# Altium PCB UmTRXv2.PcbDoc (part 11 of 25) (continued)
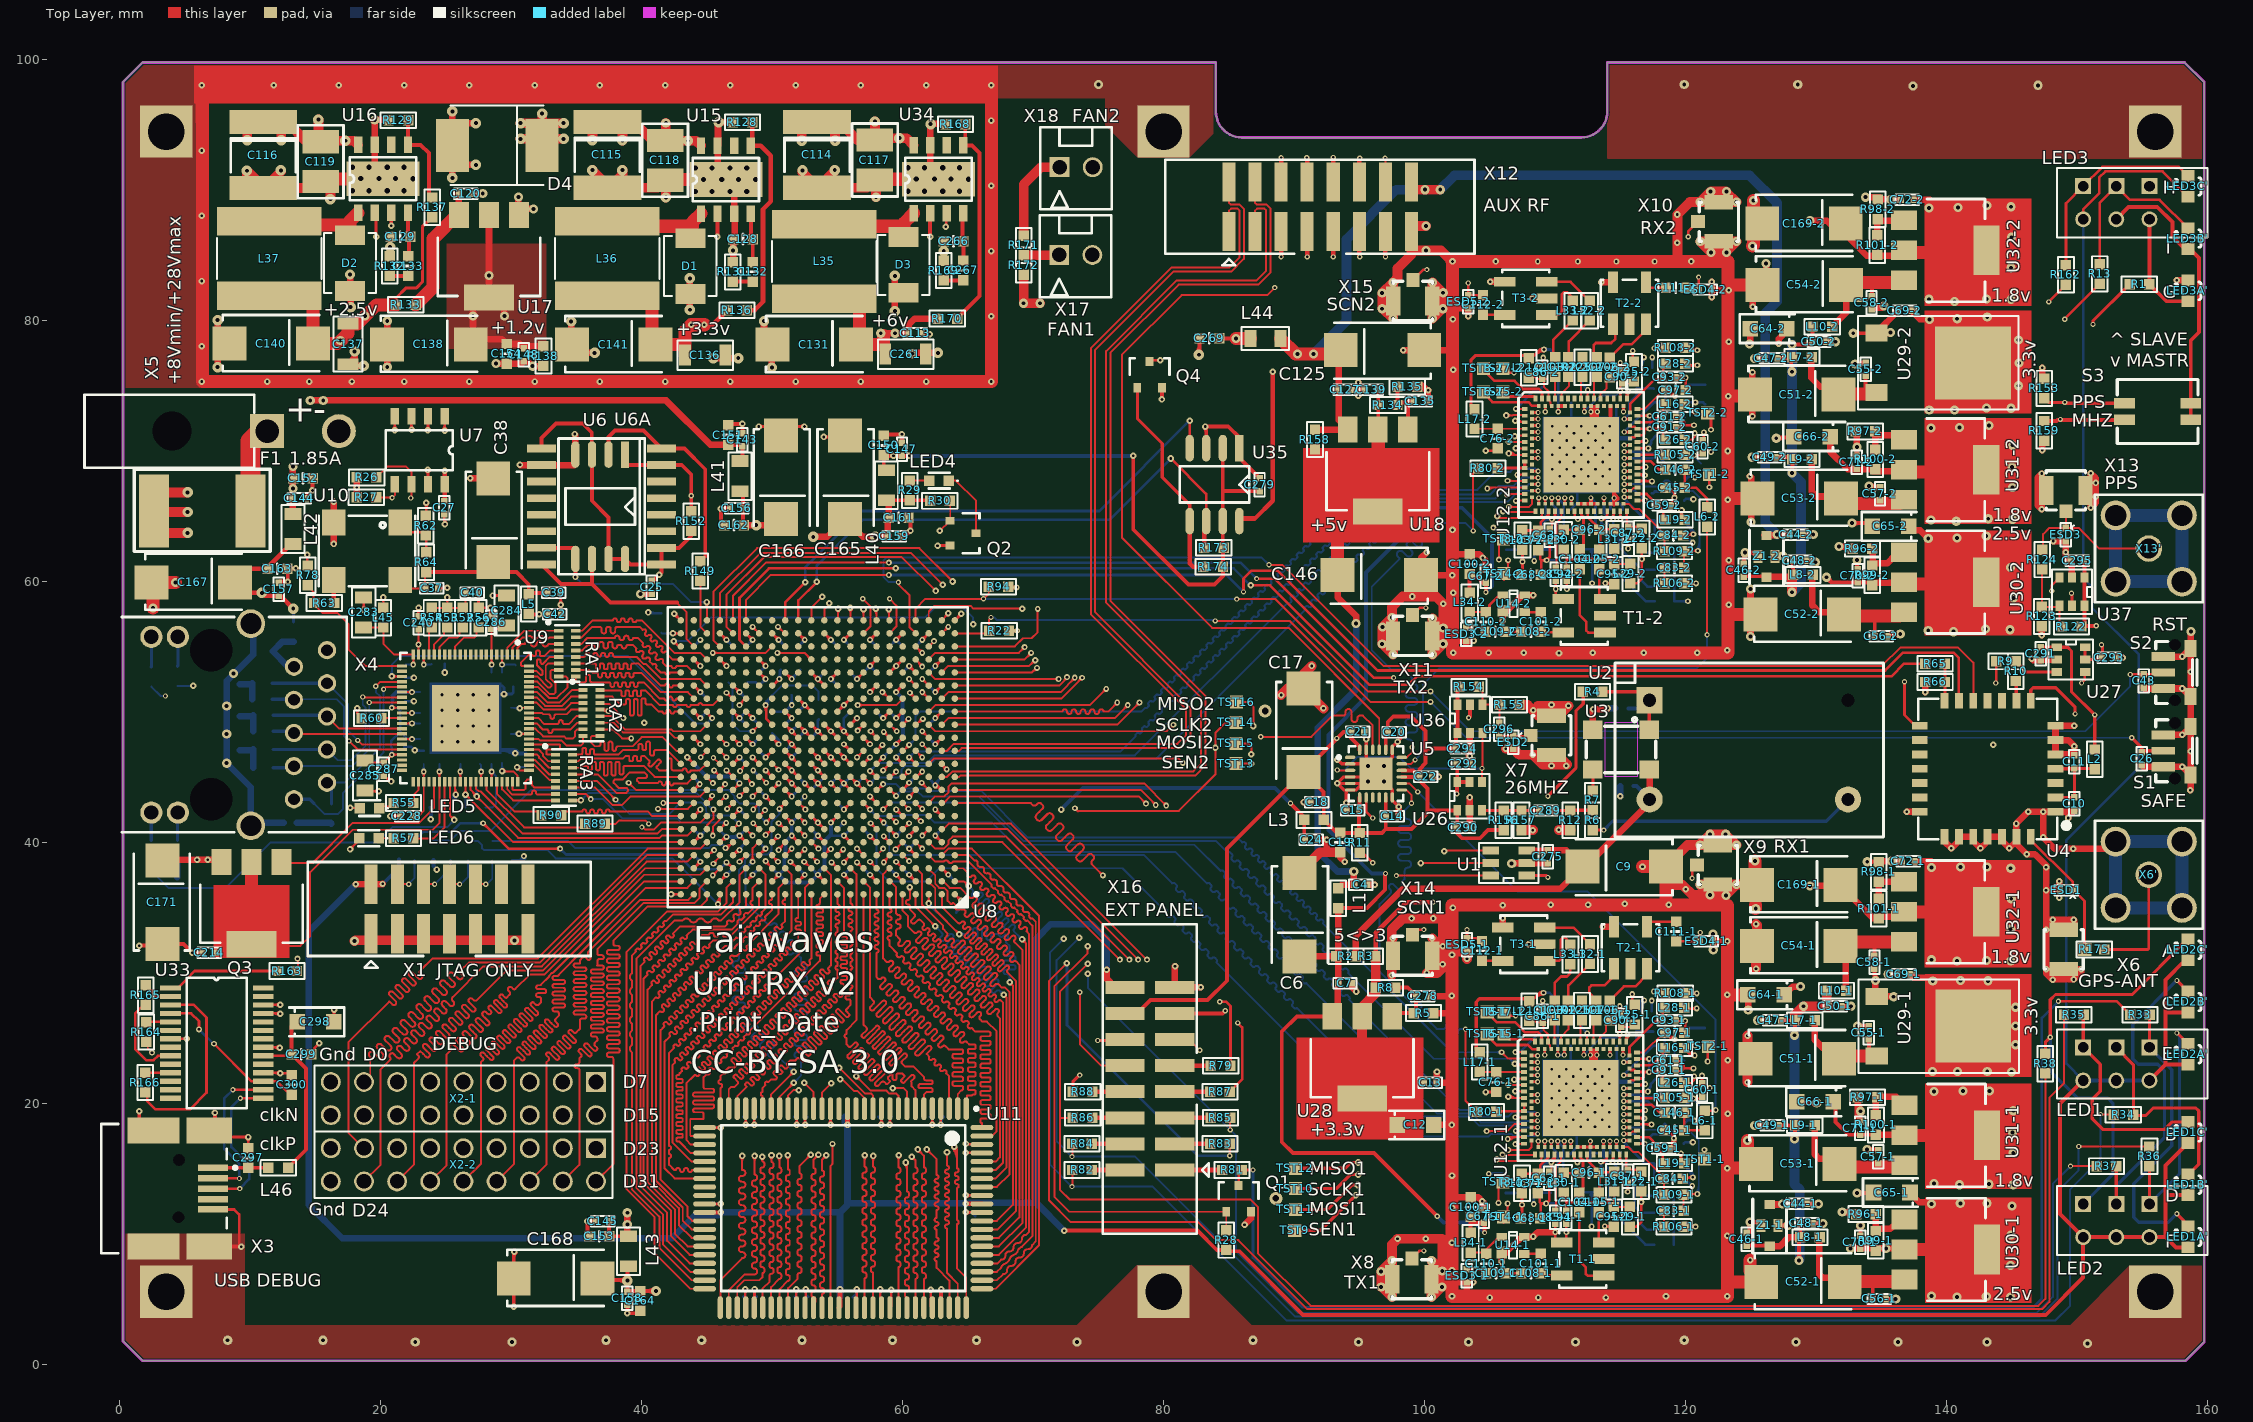
[diagram p0: Top Layer view]
## Nets (pads, with @x,y where several pads share a name; then routed paths per layer and width w, separated by ;. In a path a pad name is that pad's centre, name@x,y a point inside that pad or via, vN(x,y) a via of type N, cw(c..) or ccw(c..) an arc to the next point about the centre after c; other vN are vias at no path point) (continued)
cw(c51.073,50.5) 51.287,50.287 ; 51.5,50.802 ccw(c51.802,50.802) 51.588,50.588 cw(c51.802,50.802) 51.5,50.802 ; 51.5,50.802 cw(c51.198,50.802) 51.412,50.588 ccw(c51.198,50.802) 51.5,50.802 ; v2@51.625,46.5 cw(c51.927,46.5) 51.713,46.713 ; v2@51.625,46.5 cw(c51.927,46.5) 51.713,46.713 ; v2@51.625,46.5 ccw(c51.927,46.5) 51.713,46.287 ; v2@51.625,46.5 ccw(c51.927,46.5) 51.713,46.287 ; 51.713,46.287 ccw(c51.5,46.073) 51.5,46.375 cw(c51.5,46.073) 51.713,46.287 ; 51.713,46.713 cw(c51.5,46.927) 51.5,46.625 ccw(c51.5,46.927) 51.713,46.713 ; 51.713,48.713 cw(c51.5,48.927) 51.5,48.625 ccw(c51.5,48.927) 51.713,48.713 ; 51.713,48.713 ccw(c51.927,48.5) 51.625,48.5 cw(c51.927,48.5) 51.713,48.713 ; v1@51.769,18.431 ccw(c51.513,18.687) 51.875,18.687 ; v1@51.769,18.431 ccw(c51.513,18.687) 51.875,18.687 ; v1@51.769,18.431 ccw(c51.513,18.687) 51.875,18.687 ; 51.875,18.687 ccw(c52.237,18.687) v1@51.981,18.431 ; 51.875,18.687 ccw(c52.237,18.687) v1@51.981,18.431 ; 51.875,18.687 ccw(c52.237,18.687) v1@51.981,18.431 ; 52.287,37.713 ccw(c52.5,37.927) 52.5,37.625 cw(c52.5,37.927) 52.287,37.713 ; 52.287,37.713 cw(c52.073,37.5) 52.375,37.5 ccw(c52.073,37.5) 52.287,37.713 ; 52.287,43.287 cw(c52.5,43.073) 52.5,43.375 ccw(c52.5,43.073) 52.287,43.287 ; 52.287,43.287 ccw(c52.073,43.5) 52.375,43.5 cw(c52.073,43.5) 52.287,43.287 ; 52.287,55.287 cw(c52.5,55.073) 52.5,55.375 ccw(c52.5,55.073) 52.287,55.287 ; 52.287,55.287 ccw(c52.073,55.5) 52.375,55.5 cw(c52.073,55.5) 52.287,55.287 ; 53.287,40.287 cw(c53.5,40.073) 53.5,40.375 ccw(c53.5,40.073) 53.287,40.287 ; 53.287,40.287 ccw(c53.073,40.5) v2@53.375,40.5 ; 53.287,40.287 ccw(c53.073,40.5) v2@53.375,40.5 ; 53.287,40.713 ccw(c53.5,40.927) 53.5,40.625 cw(c53.5,40.927) 53.287,40.713 ; 53.287,40.713 cw(c53.073,40.5) v2@53.375,40.5 ; 53.287,40.713 cw(c53.073,40.5) v2@53.375,40.5 ; 53.287,44.287 ccw(c53.073,44.5) v2@53.375,44.5 ; 53.287,44.287 cw(c53.5,44.073) 53.5,44.375 ccw(c53.5,44.073) 53.287,44.287 ; 53.287,44.287 ccw(c53.073,44.5) v2@53.375,44.5 ; 53.287,44.713 cw(c53.073,44.5) v2@53.375,44.5 ; 53.287,44.713 cw(c53.073,44.5) v2@53.375,44.5 ; 53.287,44.713 ccw(c53.5,44.927) v2@53.5,44.625 ; 53.287,44.713 ccw(c53.5,44.927) v2@53.5,44.625 ; 53.287,46.713 ccw(c53.5,46.927) 53.5,46.625 cw(c53.5,46.927) 53.287,46.713 ; 53.287,46.713 cw(c53.073,46.5) 53.375,46.5 ccw(c53.073,46.5) 53.287,46.713 ; 53.287,48.287 cw(c53.5,48.073) v2@53.5,48.375 ; 53.287,48.287 cw(c53.5,48.073) v2@53.5,48.375 ; 53.287,48.287 ccw(c53.073,48.5) 53.375,48.5 cw(c53.073,48.5) 53.287,48.287 ; v2@53.5,44.625 ccw(c53.5,44.927) 53.713,44.713 ; v2@53.5,44.625 ccw(c53.5,44.927) 53.713,44.713 ; v2@53.5,48.375 cw(c53.5,48.073) 53.713,48.287 ; v2@53.5,48.375 cw(c53.5,48.073) 53.713,48.287 ; 53.5,48.802 ccw(c53.802,48.802) 53.588,48.588 cw(c53.802,48.802) 53.5,48.802 ; 53.5,48.802 cw(c53.198,48.802) 53.412,48.588 ccw(c53.198,48.802) 53.5,48.802 ; 53.713,44.713 ccw(c53.927,44.5) 53.625,44.5 cw(c53.927,44.5) 53.713,44.713 ; 53.713,46.287 cw(c53.927,46.5) 53.625,46.5 ccw(c53.927,46.5) 53.713,46.287 ; 53.713,46.287 ccw(c53.5,46.073) 53.5,46.375 cw(c53.5,46.073) 53.713,46.287 ; 53.713,48.287 cw(c53.927,48.5) 53.625,48.5 ccw(c53.927,48.5) 53.713,48.287 ; v1@54.369,18.431 ccw(c54.113,18.687) 54.475,18.687 ; v1@54.369,18.431 ccw(c54.113,18.687) 54.475,18.687 ; v1@54.369,18.431 ccw(c54.113,18.687) 54.475,18.687 ; 54.475,18.687 ccw(c54.837,18.687) v1@54.581,18.431 ; 54.475,18.687 ccw(c54.837,18.687) v1@54.581,18.431 ; 54.475,18.687 ccw(c54.837,18.687) v1@54.581,18.431 ; v2@54.625,52.5 cw(c54.927,52.5) 54.713,52.713 ; v2@54.625,52.5 ccw(c54.927,52.5) 54.713,52.287 ; v2@54.625,52.5 cw(c54.927,52.5) 54.713,52.713 ; v2@54.625,52.5 ccw(c54.927,52.5) 54.713,52.287 ; 54.713,52.287 ccw(c54.5,52.073) 54.5,52.375 cw(c54.5,52.073) 54.713,52.287 ; 54.713,52.713 cw(c54.5,52.927) 54.5,52.625 ccw(c54.5,52.927) 54.713,52.713 ; 55.287,41.287 cw(c55.5,41.073) 55.5,41.375 ccw(c55.5,41.073) 55.287,41.287 ; 55.287,41.287 ccw(c55.073,41.5) 55.375,41.5 cw(c55.073,41.5) 55.287,41.287 ; 55.287,44.287 ccw(c55.073,44.5) 55.375,44.5 cw(c55.073,44.5) 55.287,44.287 ; 55.287,44.287 cw(c55.5,44.073) 55.5,44.375 ccw(c55.5,44.073) 55.287,44.287 ; 55.287,46.713 ccw(c55.5,46.927) 55.5,46.625 cw(c55.5,46.927) 55.287,46.713 ; 55.287,46.713 cw(c55.073,46.5) 55.375,46.5 ccw(c55.073,46.5) 55.287,46.713 ; 55.287,48.713 ccw(c55.5,48.927) 55.5,48.625 cw(c55.5,48.927) 55.287,48.713 ; 55.287,48.713 cw(c55.073,48.5) 55.375,48.5 ccw(c55.073,48.5) 55.287,48.713 ; 55.5,48.802 ccw(c55.802,48.802) 55.588,48.588 cw(c55.802,48.802) 55.5,48.802 ; 55.5,48.802 cw(c55.198,48.802) 55.412,48.588 ccw(c55.198,48.802) 55.5,48.802 ; 55.713,37.713 cw(c55.5,37.927) 55.5,37.625 ccw(c55.5,37.927) 55.713,37.713 ; 55.713,37.713 ccw(c55.927,37.5) 55.625,37.5 cw(c55.927,37.5) 55.713,37.713 ; 55.713,44.713 ccw(c55.927,44.5) 55.625,44.5 cw(c55.927,44.5) 55.713,44.713 ; 55.713,44.713 cw(c55.5,44.927) 55.5,44.625 ccw(c55.5,44.927) 55.713,44.713 ; 55.713,46.287 cw(c55.927,46.5) 55.625,46.5 ccw(c55.927,46.5) 55.713,46.287 ; 55.713,46.287 ccw(c55.5,46.073) 55.5,46.375 cw(c55.5,46.073) 55.713,46.287 ; 55.713,48.287 cw(c55.927,48.5) 55.625,48.5 ccw(c55.927,48.5) 55.713,48.287 ; 55.713,48.287 ccw(c55.5,48.073) 55.5,48.375 cw(c55.5,48.073) 55.713,48.287 ; 55.713,55.287 ccw(c55.5,55.073) 55.5,55.375 cw(c55.5,55.073) 55.713,55.287 ; 55.713,55.287 cw(c55.927,55.5) 55.625,55.5 ccw(c55.927,55.5) 55.713,55.287 ; 57.287,53.287 cw(c57.5,53.073) v2@57.5,53.375 ; 57.287,53.287 ccw(c57.073,53.5) 57.375,53.5 cw(c57.073,53.5) 57.287,53.287 ; 57.287,53.287 cw(c57.5,53.073) v2@57.5,53.375 ; v2@57.5,53.375 cw(c57.5,53.073) 57.713,53.287 ; v2@57.5,53.375 cw(c57.5,53.073) 57.713,53.287 ; 57.713,53.287 cw(c57.927,53.5) 57.625,53.5 ccw(c57.927,53.5) 57.713,53.287 ; v1@58.919,18.431 ccw(c58.663,18.687) C216.1@59.025,18.687 ; v1@58.919,18.431 ccw(c58.663,18.687) C216.1@59.025,18.687 ; v1@58.919,18.431 ccw(c58.663,18.687) C216.1@59.025,18.687 ; C216.1@59.025,18.687 ccw(c59.387,18.687) v1@59.131,18.431 ; C216.1@59.025,18.687 ccw(c59.387,18.687) v1@59.131,18.431 ; C216.1@59.025,18.687 ccw(c59.387,18.687) v1@59.131,18.431 ; 59.287,37.713 ccw(c59.5,37.927) 59.5,37.625 cw(c59.5,37.927) 59.287,37.713 ; 59.287,37.713 cw(c59.073,37.5) 59.375,37.5 ccw(c59.073,37.5) 59.287,37.713 ; 59.287,49.713 cw(c59.073,49.5) 59.375,49.5 ccw(c59.073,49.5) 59.287,49.713 ; 59.287,49.713 ccw(c59.5,49.927) 59.5,49.625 cw(c59.5,49.927) 59.287,49.713 ; 59.287,55.287 cw(c59.5,55.073) v2@59.5,55.375 ; 59.287,55.287 cw(c59.5,55.073) v2@59.5,55.375 ; 59.287,55.287 ccw(c59.073,55.5) 59.375,55.5 cw(c59.073,55.5) 59.287,55.287 ; v2@59.5,55.375 cw(c59.5,55.073) 59.713,55.287 ; v2@59.5,55.375 cw(c59.5,55.073) 59.713,55.287 ; 59.713,46.713 ccw(c59.927,46.5) 59.625,46.5 cw(c59.927,46.5) 59.713,46.713 ; 59.713,46.713 cw(c59.5,46.927) 59.5,46.625 ccw(c59.5,46.927) 59.713,46.713 ; 59.713,55.287 cw(c59.927,55.5) 59.625,55.5 ccw(c59.927,55.5) 59.713,55.287 ; 60.287,39.713 ccw(c60.5,39.927) v2@60.5,39.625 ; 60.287,39.713 ccw(c60.5,39.927) v2@60.5,39.625 ; 60.287,39.713 cw(c60.073,39.5) 60.375,39.5 ccw(c60.073,39.5) 60.287,39.713 ; 60.287,53.287 ccw(c60.073,53.5) 60.375,53.5 cw(c60.073,53.5) 60.287,53.287 ; 60.287,53.287 cw(c60.5,53.073) 60.5,53.375 ccw(c60.5,53.073) 60.287,53.287 ; v2@60.5,39.625 ccw(c60.5,39.927) 60.713,39.713 ; v2@60.5,39.625 ccw(c60.5,39.927) 60.713,39.713 ; 60.713,39.713 ccw(c60.927,39.5) 60.625,39.5 cw(c60.927,39.5) 60.713,39.713 ; v1@62.169,18.431 ccw(c61.913,18.687) C215.1@62.275,18.687 ; v1@62.169,18.431 ccw(c61.913,18.687) C215.1@62.275,18.687 ; v1@62.169,18.431 ccw(c61.913,18.687) C215.1@62.275,18.687 ; C215.1@62.275,18.687 ccw(c62.637,18.687) v1@62.381,18.431 ; C215.1@62.275,18.687 ccw(c62.637,18.687) v1@62.381,18.431 ; C215.1@62.275,18.687 ccw(c62.637,18.687) v1@62.381,18.431 ; 62.287,51.713 ccw(c62.5,51.927) 62.5,51.625 cw(c62.5,51.927) 62.287,51.713 ; 62.287,51.713 cw(c62.073,51.5) 62.375,51.5 ccw(c62.073,51.5) 62.287,51.713 ; 62.713,40.713 ccw(c62.927,40.5) 62.625,40.5 cw(c62.927,40.5) 62.713,40.713 ; 62.713,40.713 cw(c62.5,40.927) 62.5,40.625 ccw(c62.5,40.927) 62.713,40.713 ; 64.244,35.756 ccw(c64.5,36.012) v1@64.5,35.65 ; 64.244,35.756 ccw(c64.5,36.012) v1@64.5,35.65 ; 64.244,35.756 ccw(c64.5,36.012) v1@64.5,35.65 ; 64.244,35.756 ccw(c64.5,36.012) v1@64.5,35.65 ; 64.244,35.756 ccw(c64.496,36.002) v1@64.499,35.65 ; 64.244,35.756 cw(c63.998,35.504) v1@64.35,35.501 ; 64.244,35.756 cw(c63.988,35.5) v1@64.35,35.5 ; 64.244,35.756 ccw(c64.496,36.002) v1@64.499,35.65 ; 64.244,35.756 ccw(c64.496,36.002) v1@64.499,35.65 ; 64.244,35.756 cw(c63.998,35.504) v1@64.35,35.501 ; 64.244,35.756 cw(c63.998,35.504) v1@64.35,35.501 ; 64.244,35.756 cw(c63.988,35.5) v1@64.35,35.5 ; 64.244,35.756 cw(c63.988,35.5) v1@64.35,35.5 ; 64.244,35.756 cw(c63.988,35.5) v1@64.35,35.5 ; 64.251,35.749 cw(c64.002,35.506) v1@64.35,35.502 ; 64.251,35.749 cw(c64.002,35.506) v1@64.35,35.502 ; 64.251,35.749 cw(c64.002,35.506) v1@64.35,35.502 ; 64.251,35.749 ccw(c64.494,35.997) v1@64.498,35.65 ; 64.251,35.749 ccw(c64.494,35.997) v1@64.498,35.65 ; 64.251,35.749 ccw(c64.494,35.997) v1@64.498,35.65 ; v1@64.35,35.5 ccw(c63.988,35.5) 64.244,35.756 ccw(c64.5,36.012) v1@64.5,35.65 ; v1@64.394,35.394 cw(c64.138,35.138) 64.5,35.138 ; v1@64.394,35.394 cw(c64.138,35.138) 64.5,35.138 ; v1@64.394,35.394 cw(c64.138,35.138) 64.5,35.138 ; 64.5,35.138 cw(c64.862,35.138) v1@64.606,35.394 ; 64.5,35.138 cw(c64.862,35.138) v1@64.606,35.394 ; 64.5,35.138 cw(c64.862,35.138) v1@64.606,35.394 ; v1@64.931,11.519 cw(c65.187,11.263) 65.187,11.625 ; v1@64.931,11.519 cw(c65.187,11.263) 65.187,11.625 ; v1@64.931,11.519 cw(c65.187,11.263) 65.187,11.625 ; v1@64.931,11.731 ccw(c65.187,11.987) 65.187,11.625 ; v1@64.931,11.731 ccw(c65.187,11.987) 65.187,11.625 ; v1@64.931,11.731 ccw(c65.187,11.987) 65.187,11.625 ; v2@105.01,14.485 cw(c105.307,14.188) 105.307,14.608 ; v2@105.01,14.485 cw(c105.307,14.188) 105.307,14.608 ; v2@105.01,14.485 cw(c105.307,14.188) 105.307,14.608 ; v2@108.969,27.75 cw(c108.755,27.536) 109.057,27.536 ; v2@108.969,27.75 cw(c108.755,27.536) 109.057,27.536 ; v2@108.969,27.75 cw(c108.755,27.536) 109.057,27.536 ; v2@109.008,77.041 cw(c108.794,76.828) 109.096,76.828 ; v2@109.008,77.041 cw(c108.794,76.828) 109.096,76.828 ; v2@109.008,77.041 cw(c108.794,76.828) 109.096,76.828 ; 109.057,27.536 cw(c109.359,27.536) v2@109.145,27.75 ; 109.057,27.536 cw(c109.359,27.536) v2@109.145,27.75 ; 109.057,27.536 cw(c109.359,27.536) v2@109.145,27.75 ; 109.096,76.828 cw(c109.398,76.828) v2@109.184,77.041 ; 109.096,76.828 cw(c109.398,76.828) v2@109.184,77.041 ; 109.096,76.828 cw(c109.398,76.828) v2@109.184,77.041 ; v2@109.399,12.22 cw(c109.613,12.006) 109.613,12.308 ; v2@109.399,12.22 cw(c109.613,12.006) 109.613,12.308 ; v2@109.399,12.22 cw(c109.613,12.006) 109.613,12.308 ; v2@109.399,12.397 ccw(c109.613,12.61) 109.613,12.308 ; v2@109.399,12.397 ccw(c109.613,12.61) 109.613,12.308 ; v2@109.399,12.397 ccw(c109.613,12.61) 109.613,12.308 ; v2@109.438,61.512 cw(c109.652,61.298) 109.652,61.6 ; v2@109.438,61.512 cw(c109.652,61.298) 109.652,61.6 ; v2@109.438,61.512 cw(c109.652,61.298) 109.652,61.6 ; v2@109.438,61.688 ccw(c109.652,61.902) 109.652,61.6 ; v2@109.438,61.688 ccw(c109.652,61.902) 109.652,61.6 ; v2@109.438,61.688 ccw(c109.652,61.902) 109.652,61.6 ; v4@114.636,17.017 cw(c114.466,16.847) 114.707,16.847 ; v4@114.636,17.017 cw(c114.466,16.847) 114.707,16.847 ; v4@114.636,17.017 cw(c114.466,16.847) 114.707,16.847 ; 114.707,16.847 cw(c114.948,16.847) v4@114.778,17.017 ; 114.707,16.847 cw(c114.948,16.847) v4@114.778,17.017 ; 114.707,16.847 cw(c114.948,16.847) v4@114.778,17.017 ; 119.842,58.45 ccw(c119.842,58.791) v2@120.084,58.55 ; 119.842,58.45 ccw(c119.842,58.791) v2@120.084,58.55 ; 119.842,58.45 ccw(c119.842,58.791) v2@120.084,58.55 ; 119.898,58.45 cw(c119.898,58.188) v2@120.084,58.373 ; 119.898,58.45 cw(c119.898,58.188) v2@120.084,58.373 ; 119.898,58.45 cw(c119.898,58.188) v2@120.084,58.373 ; 120.171,14.948 cw(c119.531,14.308) v2@120.436,14.308 ; 120.171,14.948 cw(c119.531,14.308) v2@120.436,14.308 ; 120.171,14.948 cw(c119.531,14.308) v2@120.436,14.308 ; 120.21,64.24 cw(c119.57,63.6) v2@120.475,63.6 ; 120.21,64.24 cw(c119.57,63.6) v2@120.475,63.6 ; 120.21,64.24 cw(c119.57,63.6) v2@120.475,63.6 ; C82-1.2@120.239,18.708 cw(c120.239,18.236) v2@120.573,18.57 ; C82-1.2@120.239,18.708 cw(c120.239,18.236) v2@120.573,18.57 ; C82-1.2@120.239,18.708 cw(c120.239,18.236) v2@120.573,18.57 ; C82-2.2@120.278,68 cw(c120.278,67.528) v2@120.612,67.862 ; C82-2.2@120.278,68 cw(c120.278,67.528) v2@120.612,67.862 ; C82-2.2@120.278,68 cw(c120.278,67.528) v2@120.612,67.862 ; 120.291,14.85 ccw(c120.981,15.035) v2@120.624,14.416 ; 120.291,14.85 ccw(c120.981,15.035) v2@120.624,14.416 ; 120.291,14.85 ccw(c120.981,15.035) v2@120.624,14.416 ; 120.33,64.142 ccw(c121.019,64.327) v2@120.662,63.708 ; 120.33,64.142 ccw(c121.019,64.327) v2@120.662,63.708 ; 120.33,64.142 ccw(c121.019,64.327) v2@120.662,63.708 ; 120.409,24.408 ccw(c120.409,24.71) v2@120.623,24.497 ; 120.409,24.408 ccw(c120.409,24.71) v2@120.623,24.497 ; 120.409,24.408 ccw(c120.409,24.71) v2@120.623,24.497 ; 120.409,24.408 cw(c120.409,24.106) v2@120.623,24.32 ; 120.409,24.408 cw(c120.409,24.106) v2@120.623,24.32 ; 120.409,24.408 cw(c120.409,24.106) v2@120.623,24.32 ; 120.448,73.7 ccw(c120.448,74.002) v2@120.662,73.788 ; 120.448,73.7 ccw(c120.448,74.002) v2@120.662,73.788 ; 120.448,73.7 ccw(c120.448,74.002) v2@120.662,73.788 ; 120.448,73.7 cw(c120.448,73.398) v2@120.662,73.612 ; 120.448,73.7 cw(c120.448,73.398) v2@120.662,73.612 ; 120.448,73.7 cw(c120.448,73.398) v2@120.662,73.612 ; 120.455,10.538 ccw(c120.455,10.84) v2@120.669,10.626 ; 120.455,10.538 cw(c120.455,10.236) v2@120.669,10.45 ; 120.455,10.538 cw(c120.455,10.236) v2@120.669,10.45 ; 120.455,10.538 ccw(c120.455,10.84) v2@120.669,10.626 ; 120.455,10.538 ccw(c120.455,10.84) v2@120.669,10.626 ; 120.455,10.538 cw(c120.455,10.236) v2@120.669,10.45 ; v2@120.486,14.408 ccw(c120.374,14.558) 120.561,14.558 ; v2@120.486,14.408 ccw(c120.374,14.558) 120.561,14.558 ; v2@120.486,14.408 ccw(c120.374,14.558) 120.561,14.558 ; 120.494,59.83 ccw(c120.494,60.132) v2@120.708,59.918 ; 120.494,59.83 ccw(c120.494,60.132) v2@120.708,59.918 ; 120.494,59.83 cw(c120.494,59.528) v2@120.708,59.741 ; 120.494,59.83 cw(c120.494,59.528) v2@120.708,59.741 ; 120.494,59.83 ccw(c120.494,60.132) v2@120.708,59.918 ; 120.494,59.83 cw(c120.494,59.528) v2@120.708,59.741 ; 120.512,14.607 cw(c120.214,14.308) v2@120.636,14.308 ; 120.512,14.607 cw(c120.214,14.308) v2@120.636,14.308 ; 120.512,14.607 cw(c120.214,14.308) v2@120.636,14.308 ; v2@120.525,63.7 ccw(c120.413,63.85) 120.6,63.85 ; v2@120.525,63.7 ccw(c120.413,63.85) 120.6,63.85 ; v2@120.525,63.7 ccw(c120.413,63.85) 120.6,63.85 ; 120.551,63.899 cw(c120.253,63.6) v2@120.675,63.6 ; 120.551,63.899 cw(c120.253,63.6) v2@120.675,63.6 ; 120.551,63.899 cw(c120.253,63.6) v2@120.675,63.6 ; 120.561,14.558 ccw(c120.749,14.558) v2@120.636,14.408 ; 120.561,14.558 ccw(c120.749,14.558) v2@120.636,14.408 ; 120.561,14.558 ccw(c120.749,14.558) v2@120.636,14.408 ; 120.6,63.85 ccw(c120.787,63.85) v2@120.675,63.7 ; 120.6,63.85 ccw(c120.787,63.85) v2@120.675,63.7 ; 120.6,63.85 ccw(c120.787,63.85) v2@120.675,63.7 ; v2@120.799,24.32 cw(c121.013,24.106) 121.013,24.408 ; v2@120.799,24.32 cw(c121.013,24.106) 121.013,24.408 ; v2@120.799,24.32 cw(c121.013,24.106) 121.013,24.408 ; v2@120.799,24.497 ccw(c121.013,24.71) 121.013,24.408 ; v2@120.799,24.497 ccw(c121.013,24.71) 121.013,24.408 ; v2@120.799,24.497 ccw(c121.013,24.71) 121.013,24.408 ; v2@120.838,73.612 cw(c121.052,73.398) 121.052,73.7 ; v2@120.838,73.612 cw(c121.052,73.398) 121.052,73.7 ; v2@120.838,73.612 cw(c121.052,73.398) 121.052,73.7 ; v2@120.838,73.788 ccw(c121.052,74.002) 121.052,73.7 ; v2@120.838,73.788 ccw(c121.052,74.002) 121.052,73.7 ; v2@120.838,73.788 ccw(c121.052,74.002) 121.052,73.7 ; C212.1@44.166,44.834 cw(c43.782,44.45) 44.325,44.45 ccw(c43.782,44.45) C212.1@44.166,44.834 ; C176.1@47.116,39.116 cw(c47.5,38.732) 47.5,39.275 ccw(c47.5,38.732) C176.1@47.116,39.116 ; v2@47.625,39.4 cw(c48.168,39.4) 47.784,39.784 ccw(c48.168,39.4) v2@47.625,39.4 ; v2@51.625,52.5 cw(c52.047,52.5) 51.749,52.799 ccw(c52.047,52.5) v2@51.625,52.5 ; 57.251,40.749 cw(c56.952,40.45) 57.375,40.45 ccw(c56.952,40.45) 57.251,40.749 ; 62.251,44.649 cw(c61.953,44.35) 62.375,44.35 ccw(c61.953,44.35) 62.251,44.649 ; 62.287,47.713 cw(c62.073,47.5) 62.375,47.5 ccw(c62.073,47.5) 62.287,47.713 ; 62.287,47.713 ccw(c62.5,47.927) 62.5,47.625 cw(c62.5,47.927) 62.287,47.713 ; v2@62.625,44.35 cw(c63.289,44.35) 62.819,44.819 ccw(c63.289,44.35) v2@62.625,44.35 ; C75-1.2@116.611,27.057 cw(c117.643,27.057) 116.913,27.787 ccw(c117.643,27.057) C75-1.2@116.611,27.057 ; 116.611,27.54 cw(c117.16,27.54) 116.772,27.928 ccw(c117.16,27.54) 116.611,27.54 ; C75-2.2@116.65,76.486 cw(c117.464,76.486) 116.888,77.062 ccw(c117.464,76.486) C75-2.2@116.65,76.486 ; 116.65,76.969 cw(c116.981,76.969) 116.747,77.203 ccw(c116.981,76.969) 116.65,76.969 ; 116.664,27.535 ccw(c116.312,27.738) 116.704,27.843 cw(c116.312,27.738) 116.664,27.535 ; v2@116.693,77.086 cw(c116.459,76.948) 116.694,76.812 ccw(c116.459,76.948) v2@116.693,77.086 ; 116.737,27.662 cw(c116.909,27.563) 116.857,27.754 ccw(c116.909,27.563) 116.737,27.662
  Bottom Layer w0.3: R61.2@23.8,42.65 23.85,42.6 v1(23.85,41.75) ; R20.2@24.036,38.62 24.036,38.164 v1(24.3,37.9) ; C280.2@29.3,47.05 30.05,47.05 v1(30.3,46.8) C235.2@31.1,46.8 ; 29.978,46.897 cw(c29.978,46.635) v1@30.211,46.754 ; C280.2@29.455,47.05 cw(c29.455,45.955) v1@30.229,46.729 ; C280.2@29.455,47.05 cw(c29.455,45.955) v1@30.229,46.729 ; C280.2@29.455,47.05 cw(c29.455,45.955) v1@30.229,46.729 ; 29.841,46.954 ccw(c30.126,47.448) v1@30.274,46.897 ; 29.841,46.954 ccw(c30.126,47.448) v1@30.274,46.897 ; 29.841,46.954 ccw(c30.126,47.448) v1@30.274,46.897 ; 30.179,47.05 cw(c30.179,46.679) v1@30.441,46.941 ; 30.179,47.05 cw(c30.179,46.679) v1@30.441,46.941 ; 30.179,47.05 cw(c30.179,46.679) v1@30.441,46.941
  Bottom Layer w0.35: U12-1.0@114.157,21.488 114.319,21.65 C80-1.2@115.925,21.65 ; U12-2.0@114.196,70.78 114.366,70.95 115.825,70.95 C80-2.2@115.875,71
  Bottom Layer w0.5: X4.15@10.048,56.747 10.225,56.57 C32.1@10.225,54.625 10.225,54.375 8.2,52.35 C36.2@8.2,52.1 C35.2@8.2,49.65 C34.2@8.2,47.05 v3(8.2,46.05) 10.048,44.202 X4.15@10.048,41.253 10.27,41.475 C33.2@12.575,41.475 ; v1(114.025,50.25) C5.1@114.625,50.25 ; v1(115,43.525) C8.2@115,44.3
  Bottom Layer w1: X6'.2@152.96,34.96 X6'.2@152.96,40.04 X6'.2@158.04,40.04 X6'.2@158.04,34.96 X6'.2@152.96,34.96 ; X13'.2@152.96,59.96 X13'.2@158.04,59.96 X13'.2@158.04,65.04 X13'.2@152.96,65.04 X13'.2@152.96,59.96
  other v1: 105,5.1 108.7,5.1 113.9,5.1 102.1,9.3 123.2,9.85 123.2,15 123.225,19.2 100.95,22.4 123.225,23.3 102.075,28.225 102.175,34.975 106,35.175 115.35,35.275 148.625,35.725 120.025,36.4 147.625,38.075 109.725,45.85 110.85,45.85 143.575,47.475 40.2,49.15 109.725,50.525 107.6,54.5 112.9,54.5 116.8,54.5 120.9,54.5 123.2,54.7 123.3,58.2 102.2,59.1 123.3,61.6 24.925,64.375 123.225,66.25 30.675,68.925 34.875,71.275 48.975,71.85 6.3,75.3 102.2,76.2 6.3,78 123.3,78.35 102.175,80.075 123.3,82.3 6.3,83 6.3,88 6.3,93 6.3,98 11.8,98 16.8,98 21.8,98 26.8,98 31.8,98 36.8,98 41.8,98 46.8,98 51.8,98 56.8,98 61.8,98
  other v2: 104.921,14.574 120.661,18.658 116.825,27.875 120.7,67.95 116.8,77.15
  other v3: 150.8,1.575 22.65,1.7 30.075,1.7 73.35,1.7 94.925,1.7 103.375,1.7 111.575,1.7 128.475,1.7 136.275,1.7 143.1,1.7 8.275,1.825 15.575,1.825 37.275,1.825 44.6,1.825 52.275,1.825 59.225,1.825 65.65,1.825 86.85,1.825 119.9,1.825 8.2,48.3 8.2,50.425 8.725,52.925 133,76.65 135.2,81.1 135.725,89.25 137.425,97.95 147,98 75,98.075 119.9,98.075 128.6,98.075
  other v4: 114.207,23.688 112.746,72.98 113.246,72.98
  other v5: 47,85.35
  other v6: 25.9,48.9 27.1,48.9 28.3,48.9 25.9,50.1 27.1,50.1 25.9,51.3 27.1,51.3
  other v7: 96.875,44.65 95.675,45.85
  other v8: 88.6,12.7 87.775,50.05
GPS_ANT: ESD1.1 R175.2 U4.28 X6.1 | length 10.2
  Top Layer w0.2: U4.28@146.45,40.175 149.675,36.95 ESD1.1@149.675,36.375 ; ESD1.1@149.675,36.325 ESD1.1@149.675,36.375 ; X6.1@150.575,31.775 150.575,35.475 ESD1.1@149.675,36.375
GPS_STBY: U4.12 U8.AA4 | length 97.6
  Top Layer w0.15: v4(59.675,59.925) 59.675,59.775 60.525,58.925 60.525,56.475 U8.AA4@61,56 ; v4(88.075,61.25) 89.086,61.25 96.836,53.5 135.05,53.5 136.475,54.925 140.875,54.925 142.05,53.75 U4.12@142.05,51.325
  Bottom Layer w0.15: v4(59.675,59.925) 58.934,59.925 58.55,60.309 58.55,61.591 58.784,61.825 87.5,61.825 v4(88.075,61.25)
INHIBIT: Q4.3 U16.3 U34.3 | length 83.8
  Top Layer w0.2: v1@63.333,87.183 U34.3@63.333,88.042 ; Q4.3@78.925,76.925 v1(79.75,76.925) ; 63.333,87.432 ccw(c63.582,87.432) v1@63.406,87.256 ; 63.333,87.432 ccw(c63.582,87.432) v1@63.406,87.256 ; 63.333,87.432 ccw(c63.582,87.432) v1@63.406,87.256
  Top Layer w0.25: v1(20.8,87.25) 20.808,87.258 U16.3@20.808,88.242
  Mid-Layer 2 w0.2: v1(20.8,87.25) 63.2,87.25 v1(63.3,87.15) 64.05,86.4 64.05,84.65 62.8,83.4 60.7,83.4 57.3,80 57.3,78.1 58.75,76.65 ; 57.45,76.65 58.75,76.65 ; v1(79.75,76.925) 79.475,76.65 58.75,76.65
  Bottom Layer w0.2: v1(20.8,87.25) v1@20.9,87.35
INIT_B: Q2.1 R30.2 U8.T6 | length 24.9
  Top Layer w0.15: v2@58.45,51.325 cw(c58.45,50.782) U8.T6@58.834,51.166 ; v2@58.625,51.5 ccw(c58.927,51.5) 58.713,51.287 ; 58.669,51.291 cw(c58.75,51.596) v2(58.45,51.5) ; U8.T6@59,51 58.5,51.5 v2(58.45,51.5) ; v1(62.85,63.85) 63.6,64.6 63.65,64.6 63.65,66.1 R30.2@63.6,66.15 ; v2(58.45,51.5) cw(c58.403,51.216) 58.681,51.291 ccw(c58.403,51.216) v2(58.45,51.5) ; v2(58.45,51.5) ccw(c58.827,51.641) 58.723,51.252 cw(c58.827,51.641) v2(58.45,51.5) ; v2@58.45,51.35 cw(c58.45,50.867) 58.791,51.209 ccw(c58.45,50.867) v2@58.45,51.35 ; v2@58.6,51.5 ccw(c58.841,51.5) 58.671,51.329 cw(c58.841,51.5) v2@58.6,51.5
  MidLayer1 w0.15: v2@58.45,51.675 ccw(c58.45,52.097) 58.749,51.799 ccw(c59.047,51.5) v2@58.625,51.5 ; v1(62.85,63.85) 61.95,62.95 61.95,54.384 61.441,53.875 61.125,53.875 60.925,53.675 60.925,53.324 60.676,53.075 60.6,53 59.95,53 v2(58.45,51.5) ; v2(58.45,51.5) ccw(c58.359,51.83) 58.69,51.741 cw(c58.359,51.83) v2(58.45,51.5) ; v2(58.45,51.5) cw(c58.78,51.409) 58.691,51.74 ccw(c58.78,51.409) v2(58.45,51.5) ; 58.706,51.756 cw(c58.45,52.012) 58.45,51.65 ccw(c58.45,52.012) 58.706,51.756 ; 58.706,51.756 ccw(c58.962,51.5) 58.6,51.5 cw(c58.962,51.5) 58.706,51.756
LED_CLK: R11.2 R13.2 R79.2 U5.8 | length 121.1
  Top Layer w0.2: v4(84.3,27.775) 84.775,27.775 85.125,27.425 R79.2@85.125,22.875 ; R11.2@95.025,39.2 95.247,39.2 v4(96.025,38.422) ; U5.8@95.525,43.425 95.525,42.35 v4(96.025,41.85) ; v4(149.05,80.075) 149.05,80.1 R13.2@151.75,82.8
  Mid-Layer 2 w0.2: v4(84.3,27.775) 85.378,27.775 v4(96.025,38.422) v4(96.025,41.85) 94.9,42.975 94.9,50.95 97.35,53.4 140.65,53.4 141.775,54.525 146.25,54.525 146.8,55.075 146.8,56.7 147.5,57.4 147.5,63.7 148.325,64.525 148.325,79.35 v4(149.05,80.075)
LED_DONE: Q1.3 R33.2 R81.2 | length 100.4
  Top Layer w0.2: Q1.3@85.75,13.675 85.75,14.625 R81.2@86,14.875 v4(86.85,14.875) ; v4(148.575,27.8) 153.05,27.8 R33.2@154.075,26.775
  Bottom Layer w0.2: v4(86.85,14.875) 86.85,8.15 90.65,4.35 146.625,4.35 147.3,5.025 147.3,26.525 v4(148.575,27.8)
LED_GPS: R1.2 R88.2 U4.8 | length 131.7
  Top Layer w0.25: R88.2@73.05,20.875 73.05,21.65 73.55,22.15 v4(73.575,22.15) ; U4.8@146.45,50.825 146.45,51.65 146.625,51.825 148.375,51.825 149.85,50.35 v4(149.85,49.825) ; v4(151.225,79.675) 151.225,79.95 R1.2@154.025,82.75
  Mid-Layer 2 w0.25: v4(73.575,22.15) 86.075,22.15 108.7,44.775 111.275,44.775 112.85,46.35 144.1,46.35 147.575,49.825 v4(149.85,49.825) 150.475,49.825 152.5,51.85 152.5,56.5 150.1,58.9 150.1,78.55 v4(151.225,79.675)
LED_STATUS: R87.2 R162.1 U8.AB3 | length 165.3
  Top Layer w0.15: U8.AB3@62,57 62,57.675 62.425,58.1 65.225,58.1 65.425,57.9 v1(69.175,57.9)
  Top Layer w0.2: R87.2@85.075,20.875 86.025,21.825 86.025,25.8 v4(85.675,26.15) ; v4(147.825,81.4) R162.1@149.15,82.725
  Mid-Layer 2 w0.2: v1(69.175,57.9) 69.7,57.375 69.7,56.1 68.775,55.175 68.775,42.875 75.325,36.325 78.95,36.325 83.7,31.575 ; v4(85.675,26.15) 84.2,26.15 83.7,26.65 83.7,31.575 ; v4(147.825,81.4) 147.825,64.625 147.175,63.975 147.175,57.749 146.35,56.924 146.35,55.175 146.15,54.975 141.525,54.975 140.35,53.8 97.041,53.8 91.808,48.567 91.808,35.158 88.225,31.575 83.7,31.575
LEDS1: R34.2 R82.2 U8.Y3 | length 152.7
  Top Layer w0.15: U8.Y3@62,55 v2@62.5,55.5 ; v2@62.299,55.311 cw(c62.553,55.243) v2@62.5,55.5 ; v2@62.311,55.299 ccw(c62.243,55.553) v2@62.5,55.5 ; v2@62.325,55.5 cw(c61.903,55.5) 62.201,55.201 cw(c62.5,54.903) v2@62.5,55.325 ; v4(72.975,13.6) 73,13.625 R82.2@73,14.875 ; v4(151.8,19.125) 152.775,19.125 R34.2@152.8,19.1 ; v2@62.244,55.244 cw(c62.5,54.988) 62.5,55.35 ccw(c62.5,54.988) v2@62.244,55.244 ; v2@62.244,55.244 ccw(c61.988,55.5) 62.35,55.5 cw(c61.988,55.5) v2@62.244,55.244 ; v2@62.5,55.5 ccw(c62.591,55.17) 62.26,55.259 cw(c62.591,55.17) v2@62.5,55.5 ; v2@62.5,55.5 cw(c62.17,55.591) 62.259,55.26 ccw(c62.17,55.591) v2@62.5,55.5
  Mid-Layer 2 w0.15: v2(62.403,55.403) 64.75,53.056 64.75,40.2 v1(72.35,32.6) ; 72.051,32.899 cw(c71.753,32.6) v1@72.175,32.6 ; 72.051,32.899 ccw(c72.35,33.197) v1@72.35,32.775 ; 72.051,32.899 ccw(c72.35,33.197) v1@72.35,32.775 ; 72.051,32.899 cw(c71.753,32.6) v1@72.175,32.6 ; 72.051,32.899 ccw(c72.35,33.197) v1@72.35,32.775 ; 72.051,32.899 cw(c71.753,32.6) v1@72.175,32.6
  Bottom Layer w0.15: v1(72.35,32.6) 71.3,31.55 71.3,15.275 v4(72.975,13.6) 79.15,13.6 89.4,3.35 148.35,3.35 149.45,4.45 149.45,13.375 151.8,15.725 v4(151.8,19.125)
LEDS2: R35.2 R83.2 U8.W4 | length 180.5
  Top Layer w0.15: U8.W4@61,54 61.5,53.5 v2(61.5,53.45) ; U8.W4@61.166,53.834 cw(c60.782,53.45) v2@61.325,53.45 ; 61.287,53.713 ccw(c61.5,53.927) v2@61.5,53.625 ; 61.291,53.669 ccw(c61.596,53.75) v2(61.5,53.45) ; v1(72.575,30.725) 71.2,29.35 71.2,12.575 72.9,10.875 82.65,10.875 84.025,9.5 85.725,9.5 91.011,4.214 147.314,4.214 147.875,4.775 147.875,20.4 149,21.525 R35.2@149,26.775 ; v2(61.5,53.45) cw(c61.641,53.827) 61.252,53.723 ccw(c61.641,53.827) v2(61.5,53.45) ; v2(61.5,53.45) ccw(c61.216,53.403) 61.291,53.681 cw(c61.216,53.403) v2(61.5,53.45) ; 61.209,53.791 cw(c60.867,53.45) 61.35,53.45 ccw(c60.867,53.45) 61.209,53.791 ; 61.329,53.671 ccw(c61.5,53.841) 61.5,53.6 cw(c61.5,53.841) 61.329,53.671
  Top Layer w0.2: v4(85.075,15.975) R83.2@85.075,16.875
  Mid-Layer 2 w0.15: v2@61.5,53.275 cw(c61.5,52.361) 62.146,53.007 ; v2@61.5,53.425 cw(c61.5,52.873) 61.89,53.263 ; v2@61.608,53.346 cw(c61.709,53.248) 61.746,53.384 cw(c61.782,53.52) v2@61.646,53.486 ; 61.8,53.22 cw(c61.928,53.697) v2(61.5,53.45) ; v1(72.575,30.725) 64.1,39.2 64.1,51.054 61.704,53.45 v2(61.5,53.45) ; v2(61.5,53.45) cw(c61.5,52.959) 61.847,53.306 ccw(c61.5,52.959) v2(61.5,53.45) ; v2@61.5,53.3 cw(c61.5,52.446) 62.104,53.05 ccw(c61.5,52.446) v2@61.5,53.3 ; v2@61.575,53.32 cw(c61.715,53.078) 61.787,53.348 ccw(c61.715,53.078) v2@61.575,53.32 ; v2@61.641,53.501 ccw(c61.883,53.589) 61.816,53.34 cw(c61.883,53.589) v2@61.641,53.501
  Bottom Layer w0.2: v1(72.575,30.725) 72.6,30.7 72.6,25.975 82.6,15.975 v4(85.075,15.975)
LEDS3: R36.2 R84.2 U8.AB2 | length 152.8
  Top Layer w0.15: U8.AB2@63,57 63.45,57.45 63.5,57.45 v1(63.5,57.55) ; v4@73,15.925 R84.2@73,16.875 ; v4(150.125,16.675) R36.2@155.55,16.675 ; U8.AB2@63.166,57.166 ccw(c62.782,57.55) v1@63.325,57.55 ; U8.AB2@63.166,57.166 ccw(c62.782,57.55) v1@63.325,57.55 ; U8.AB2@63.166,57.166 ccw(c62.782,57.55) v1@63.325,57.55 ; 63.246,57.256 cw(c63.619,57.156) v1@63.507,57.526 ; 63.246,57.256 cw(c63.619,57.156) v1@63.507,57.526 ; 63.246,57.256 cw(c63.619,57.156) v1@63.507,57.526 ; 63.287,57.287 cw(c63.5,57.073) v1@63.5,57.375 ; 63.287,57.287 cw(c63.5,57.073) v1@63.5,57.375 ; 63.287,57.287 cw(c63.5,57.073) v1@63.5,57.375
  Mid-Layer 2 w0.15: v1(63.5,57.55) 65.45,55.6 65.45,40.75 v1(73.524,32.676) ; v1@63.5,57.375 cw(c63.5,56.953) 63.799,57.251 ; v1@63.5,57.375 cw(c63.5,56.953) 63.799,57.251 ; v1@63.5,57.375 cw(c63.5,56.953) 63.799,57.251 ; v1@63.675,57.55 ccw(c64.097,57.55) 63.799,57.251 ; v1@63.675,57.55 ccw(c64.097,57.55) 63.799,57.251 ; v1@63.675,57.55 ccw(c64.097,57.55) 63.799,57.251
  Bottom Layer w0.15: v1(73.524,32.676) 71.8,30.953 71.8,17.075 v4(72.975,15.9) 77.81,15.9 90.06,3.65 147.15,3.65 148.5,5 148.5,13.225 150.125,14.85 v4(150.125,16.675)